# KiCad board sswkbd_left.kicad_pcb (continued)
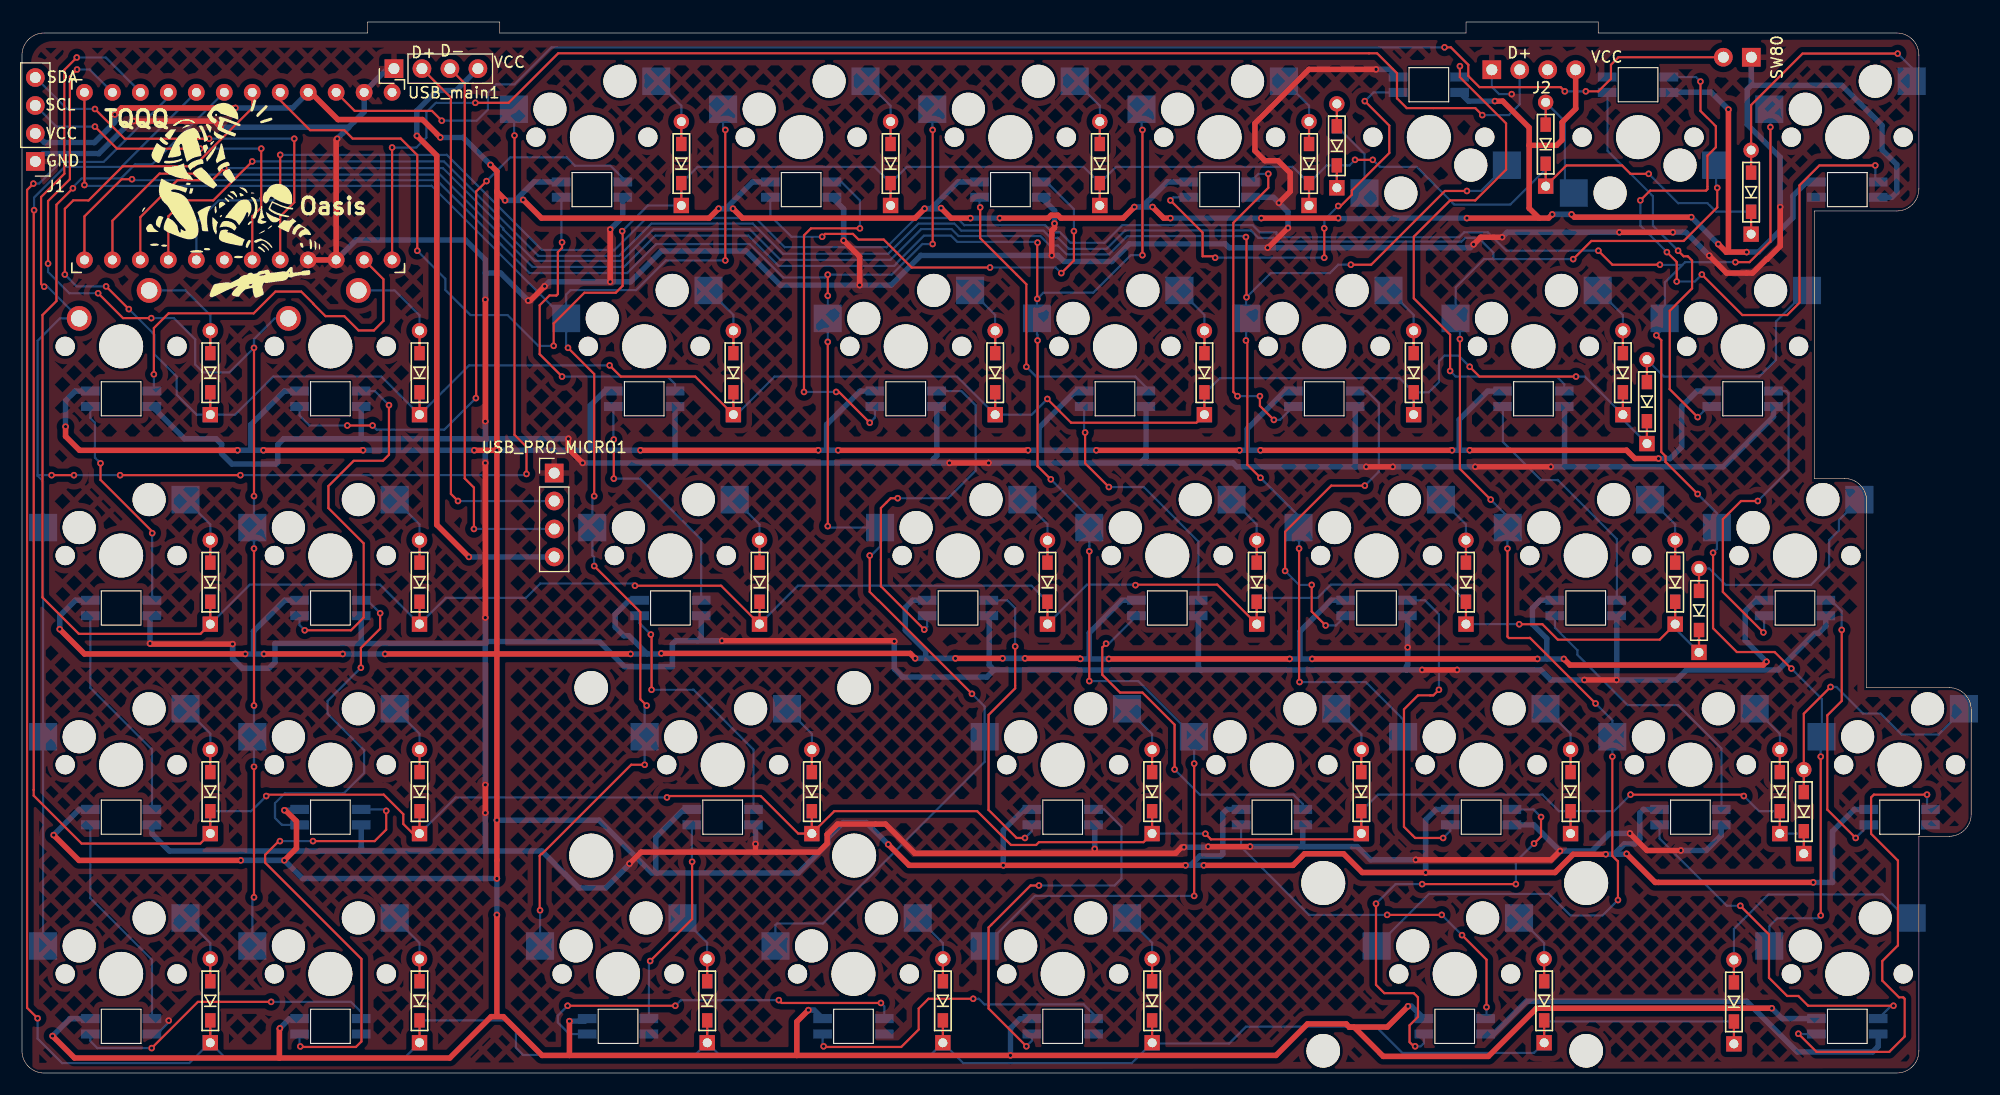
[diagram p0: board, top side]
## Routing (per net, layer and track width the routed paths; a pad name or vN(x,y) marks a point on that pad's centre or on a via; arc(x,y) is an arc through that point) (continued)
Net-(LED29-DOUT): length 48.1
  Top w0.2: v1(130.57,91.45) 130.57,90.45 134.76,86.26 134.76,82.05 131.97,79.26 129.68,79.26 126.38,75.96 126.38,70.37 129.68,67.07 v1(129.68,63.76)
  Bottom w0.2: 130.58,90.49 130.57,90.49 v1(130.57,91.45) ; LED30.4 140.05,62.57 139.36,63.26 130.19,63.26 v1(129.68,63.76)
Net-(LED30-DOUT): length 22.8
  Bottom w0.2: LED31.4 144.83,42.96 144.83,48.5 139.46,53.86 137.94,53.86 134.48,57.32 134.48,60.51 LED30.2
Net-(LED31-DOUT): length 26.6
  Bottom w0.2: LED31.2 139.2,40.44 141.24,38.4 141.24,37.98 145.81,33.41 150.38,33.41 154.33,29.47 154.33,23.96 LED32.4
Net-(LED32-DOUT): length 33
  Top w0.2: v1(156.04,15.19) 158.64,12.58 158.64,8.65 160.29,7 161.31,7 162.2,6.11 v1(169.94,6.11)
  Bottom w0.2: 148.7,22.54 148.7,21.3 154.81,15.19 v1(156.04,15.19) ; v1(169.94,6.11) 169.74,6.11 168.58,4.94 168.58,4.91
Net-(LED33-DOUT): length 43.6
  Top w0.2: v1(172.99,25.28) 168.16,25.28 167.91,25.03 167.91,21.73 170.35,19.29 170.35,11.59 168.93,10.17 168.93,8.39 170.45,6.87 170.83,6.87 170.96,6.74 170.96,3.31 169.56,1.91 162.96,1.91 v1(161.31,3.57)
  Bottom w0.2: v1(172.99,25.28) 172.99,24.25 LED34.4 173.33,23.94 ; 162.95,3.54 161.34,3.54 v1(161.31,3.57)
Net-(LED34-DOUT): length 25.8
  Top w0.2: v1(166.51,21.35) 163.94,23.92 163.94,32.49 165.24,33.79 v1(165.24,40.24)
  Bottom w0.2: LED36.4 164.26,42.94 165.24,41.96 v1(165.24,40.24) ; v1(166.51,21.35) 167.7,22.54 167.73,22.52 167.73,22.51
Net-(LED35-DIN): length 29.6
  Top w0.2: v1(158.13,40.01) 154.45,43.7 154.45,50.3 156.1,51.95 v1(157.62,51.95)
  Bottom w0.2: v1(158.13,40.01) 158.2,40.08 LED36.2 ; LED35.4 160.21,61.94 160.42,61.73 160.42,54.75 v1(157.62,51.95)
Net-(LED35-DOUT): length 36.5
  Top w0.2: v1(152.16,59.57) 149.62,62.11 149.62,69.22 151.65,71.26 151.65,73.8 151.27,74.18 150.89,74.18 v1(150.38,74.69)
  Bottom w0.2: v1(152.16,59.57) 153.13,60.54 LED35.2 ; v1(150.38,74.69) 148.1,76.97 148.1,79.64 143.98,83.76 143.98,89.04 LED37.4
Net-(LED37-DOUT): length 62.3
  Top w0.2: v1(150.26,71.89) 150.26,73.67 v1(149.37,74.56) ; v1(152.42,90.05) 152.42,87.39 153.81,85.99 153.81,84.08 153.05,83.32 153.05,80.27 152.92,80.15 147.84,80.15 v1(146.96,79.26) ; v1(168.29,82.43) 163.21,82.43 161.41,80.63 161.41,69.96 160.29,68.84 156.23,68.84 v1(152.54,72.53)
  Bottom w0.2: v1(168.29,82.43) 168.29,81.2 LED38.4 ; v1(152.54,72.53) 151.91,71.89 v1(150.26,71.89) ; v1(152.42,90.05) 152.01,90.46 LED37.2 ; v1(146.96,79.26) 146.97,79.25 146.97,76.96 v1(149.37,74.56)

## Copper pours and planes (outline as drawn; the poured copper is in the pictures)
GND on Top, Bottom: 172.03,93.86 172.03,78.58 162.55,78.58 162.55,53.7 167.29,53.7 167.29,34.77 176.76,34.77 176.76,21.81 171.89,21.81 172.02,0.43 0.94,0.3 0.82,93.73

## Text on the board
B.Silkscreen: RST | SCL | VCC | SDA | GND | D+ | D- | ENC_A | ENC_B | OLED | USB_main1 | USB_SPLIT_L
F.Silkscreen: SCL | VCC | GND | SDA | D+ | D- | USB_SPLIT_R
